# KiCad board power.kicad_pcb
title: Powertrain; date: 2024-09-21; rev: V0.1
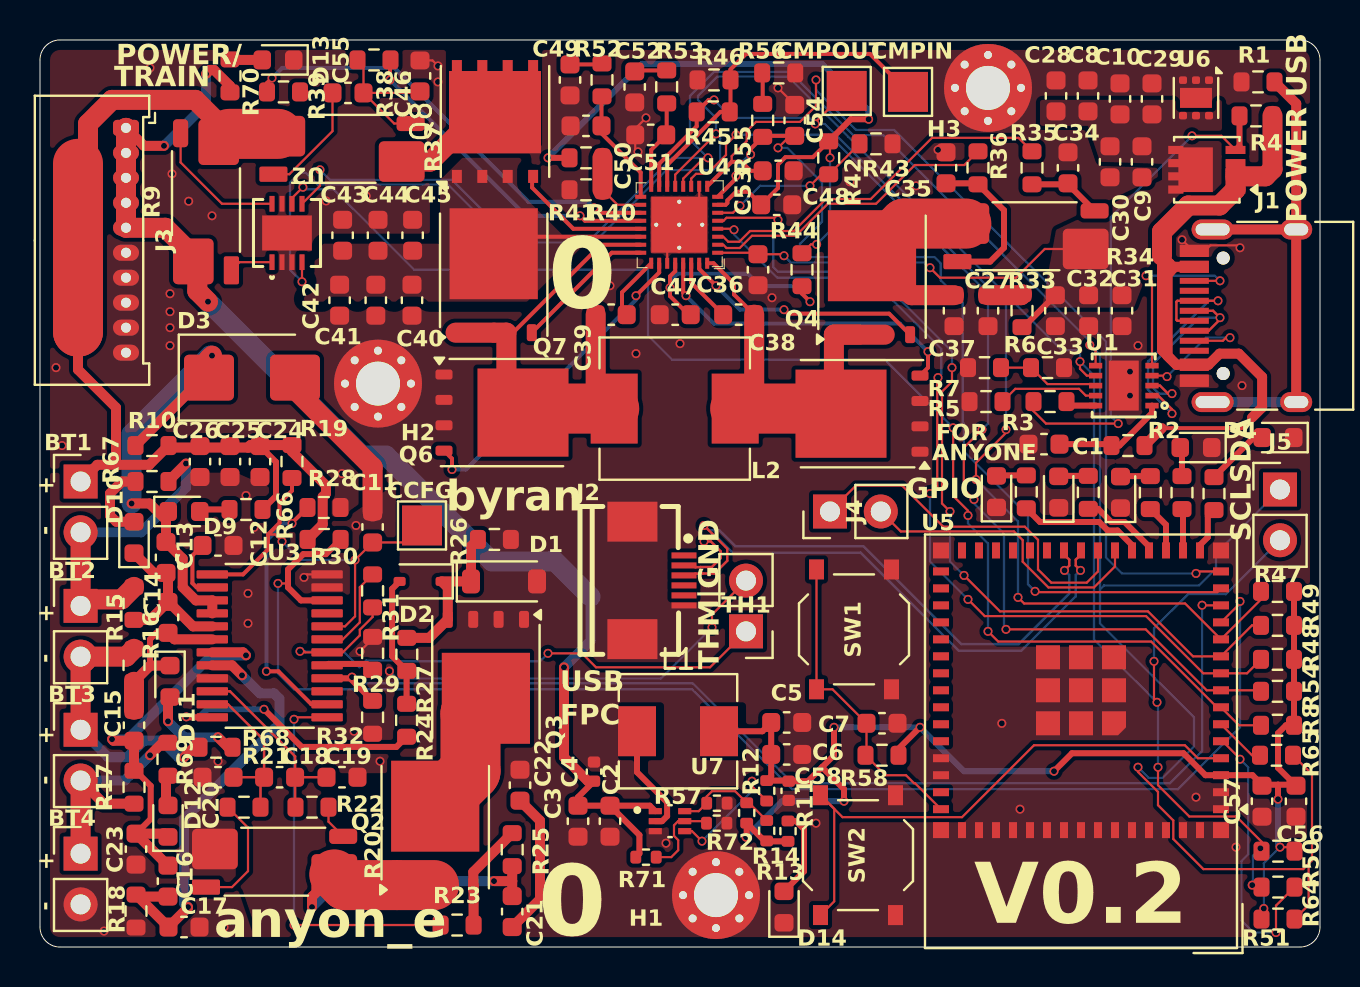
[diagram p0: board, top side]
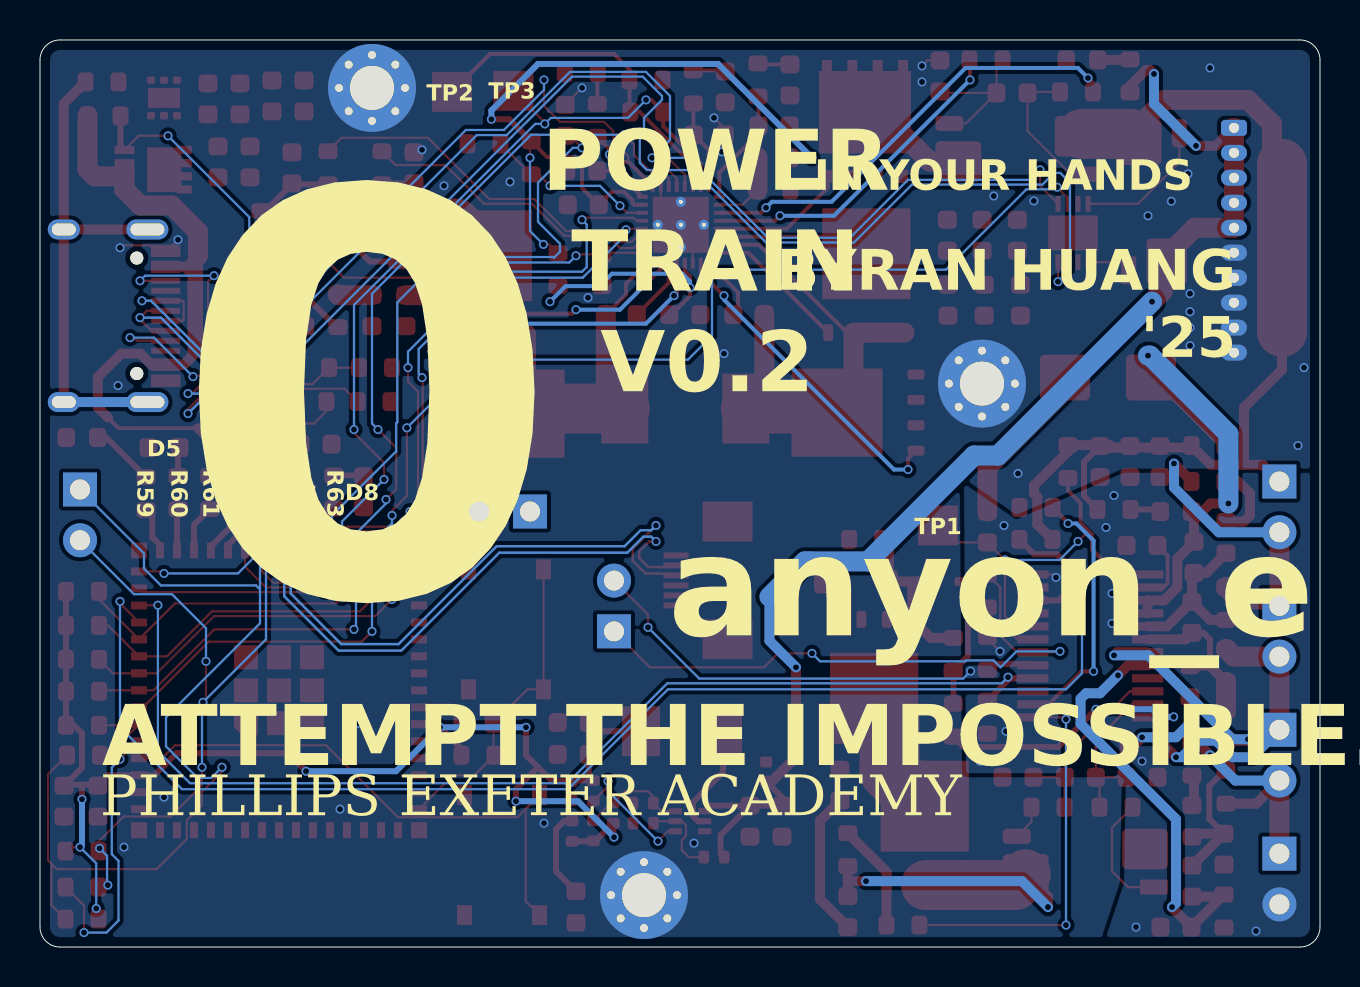
[diagram p1: board, bottom side, seen from below]

Outline 64 x 45.4 mm; copper layers: Top, In1.Cu, In2.Cu, Bottom. Coordinates in mm from the lower left corner of the outline.
Outline path: 0,44.4 arc(0.29,45.11) 1,45.4 63,45.4 arc(63.71,45.11) 64,44.4 64,1 arc(63.71,0.29) 63,0 1,0 arc(0.29,0.29) 0,1 0,44.4
Stack: Top 0.035mm / dielectric 0.1mm FR4 er 4.5 / In1.Cu 0.035mm / dielectric 1.24mm FR4 er 4.5 / In2.Cu 0.035mm / dielectric 0.1mm FR4 er 4.5 / Bottom 0.035mm

## Placement (name value [footprint] x y rotation side)
BT1  Cell 1  [PinHeader_1x02_P2.54mm_Vertical]  2.03 23.3 0 top
BT2  Cell 2  [PinHeader_1x02_P2.54mm_Vertical]  2.03 17.07 0 top
BT3  Cell 3  [PinHeader_1x02_P2.54mm_Vertical]  2.03 10.88 0 top
BT4  Cell 4  [PinHeader_1x02_P2.54mm_Vertical]  2.03 4.67 0 top
C1  1uF  [C_0603_1608Metric]  50.2 25.17 180 top
C2  10uF  [C_0603_1608Metric]  28.5 6.3 270 top
C3  10uF  [C_0603_1608Metric]  26.9 6.3 270 top
C4  100nF  [C_0402_1005Metric]  27.7 8.78 90 top
C5  22uF  [C_0603_1608Metric]  37.34 11.24 0 top
C6  22uF  [C_0603_1608Metric]  37.34 9.64 0 top
C7  1uF  [C_0603_1608Metric]  42.1 11.2 180 top
C8  10uF  [C_0603_1608Metric]  52.4 42.6 90 top
C9  10uF  [C_0603_1608Metric]  55.1 39.3 270 top
C10  100nF  [C_0603_1608Metric]  54 42.45 90 top
C11  1uF  [C_0603_1608Metric]  16.63 21.02 90 top
C12  1uF  [C_0603_1608Metric]  8.9 20.1 0 top
C13  1uF  [C_0603_1608Metric]  6.3 19.5 270 top
C14  1uF  [C_0603_1608Metric]  6.4 16.5 270 top
C15  1uF  [C_0603_1608Metric]  4.7 11.1 270 top
C16  1uF  [C_0603_1608Metric]  6.4 3.3 270 top
C17  1uF  [C_0603_1608Metric]  7.2 1 0 top
C18  0.1uF  [C_0603_1608Metric]  11.98 8.5 0 top
C19  0.1uF  [C_0603_1608Metric]  15.1 8.5 0 top
C20  0.1uF  [C_0603_1608Metric]  8.9 8.5 180 top
C21  0.1uF  [C_0603_1608Metric]  23.61 1.77 270 top
C22  0.1uF  [C_0603_1608Metric]  24 8.1 90 top
C23  1uF  [C_0603_1608Metric]  4.8 4.9 270 top
C24  10uF  [C_0603_1608Metric]  11 24.3 270 top
C25  10uF  [C_0603_1608Metric]  9.5 24.3 270 top
C26  100nF  [C_0603_1608Metric]  8 24.3 270 top
C27  1uF  [C_0603_1608Metric]  47.4 31.85 270 top
C28  10uF  [C_0603_1608Metric]  50.8 42.6 90 top
C29  10uF  [C_0603_1608Metric]  55.6 42.45 90 top
C30  10uF  [C_0603_1608Metric]  53.5 39.3 270 top
C31  10uF  [C_0603_1608Metric]  54.1 31.85 270 top
C32  10uF  [C_0603_1608Metric]  52.43 31.85 270 top
C33  10uF  [C_0603_1608Metric]  50.77 31.85 270 top
C34  33nF  [C_0603_1608Metric]  51.4 39 90 top
C35  33nF  [C_0603_1608Metric]  45.3 39 90 top
C36  470nF  [C_0603_1608Metric]  35.9 33.9 270 top
C37  10nF  [C_0603_1608Metric]  45.7 31.85 270 top
C38  47nF  [C_0603_1608Metric]  34.94 31.65 180 top
C39  47nF  [C_0603_1608Metric]  28.56 31.65 0 top
C40  10uF  [C_0603_1608Metric]  18.6 32.37 270 top
C41  10uF  [C_0603_1608Metric]  16.79 32.37 270 top
C42  10uF  [C_0603_1608Metric]  14.98 32.37 270 top
C43  10uF  [C_0603_1608Metric]  15.13 35.62 90 top
C44  10uF  [C_0603_1608Metric]  16.9 35.62 90 top
C45  10uF  [C_0603_1608Metric]  18.63 35.62 90 top
C46  1uF  [C_0603_1608Metric]  19 43.6 90 top
C47  2.2uF  [C_0603_1608Metric]  31.76 31.65 180 top
C48  1uF  [C_0603_1608Metric]  36.84 37.15 0 top
C49  680pF  [C_0603_1608Metric]  26.5 43.4 270 top
C50  15pF  [C_0603_1608Metric]  27.3 41.1 180 top
C51  33pF  [C_0603_1608Metric]  30.54 40.65 180 top
C52  1800pF  [C_0603_1608Metric]  29.74 43.05 270 top
C53  100pF  [C_0603_1608Metric]  36.91 38.85 180 top
C54  100pF  [C_0603_1608Metric]  37.74 41.37 270 top
C55  0.1uF  [C_0603_1608Metric]  15.4 42.75 180 top
C56  10uF  [C_0603_1608Metric]  62.8 7.3 90 top
C57  0.1uF  [C_0603_1608Metric]  61.1 7.3 90 top
C58  100nF  [C_0402_1005Metric]  37.44 7.82 270 top
D1  MMSZ5248B  [D_SOD-123]  23.2 18.3 0 top
D2  BAS316  [D_SOD-323]  19.03 18.3 180 top
D3  SMBJ26A-13-F  [D_SMB]  10.6 28.5 0 top
D4  LED1  [LED_0603_1608Metric]  61.9 25.5 180 top
D5  LED2  [LED_0603_1608Metric]  57.8 25 180 top
D6  LED3  [LED_0603_1608Metric]  54.03 22.76 90 top
D7  LED4  [LED_0603_1608Metric]  50.94 22.77 90 top
D8  LED5  [LED_0603_1608Metric]  47.83 22.79 90 top
D9  C4 LED  [LED_0603_1608Metric]  7.2 21.8 0 top
D10  C3 LED  [LED_0603_1608Metric]  4.7 20.5 90 top
D11  C2 LED  [LED_0603_1608Metric]  6.5 13.3 270 top
D12  C1 LED  [LED_0603_1608Metric]  6.4 6.3 90 top
D13  VDD LED  [LED_0603_1608Metric]  11.9 44.4 180 top
D14  +3.3V LED  [LED_0603_1608Metric]  37.2 2 90 top
H1  M2  [MountingHole_2.2mm_M2_Pad_Via]  33.8 2.6 0 top
H2  M2  [MountingHole_2.2mm_M2_Pad_Via]  16.9 28.2 0 top
H3  M2  [MountingHole_2.2mm_M2_Pad_Via]  47.4 43 0 top
J1  USB-C Power + USB2.0  [USB_C_Receptacle_HRO_TYPE-C-31-M-12]  61.76 31.59 90 top
J2  USB  [FPC-SMD_6P-P0.50_XUNPU_FPC-05F-6PH20]  30.91 18.35 270 top
J3  BATTERY OUT  [Molex_PicoBlade_53048-1010_1x10_P1.25mm_Horizontal]  4.3 41 270 top
J4  BACKUP  [PinHeader_1x02_P2.54mm_Vertical]  39.5 21.8 90 top
J5  I2C  [PinHeader_1x02_P2.54mm_Vertical]  62 22.9 0 top
L1  MWSA0503S-3R3MT  [L_Sunlord_MWSA0503S]  31.9 10.8 0 top
L2  MWSA0603S-2R2MT  [L_Sunlord_MWSA0603S]  31.74 26.95 180 top
Q1  SI7617DN-T1-GE3  [Vishay_PowerPAK_1212-8_Single]  58.34 38.9 180 top
Q2  CSD18534Q5A  [TDSON-8-1]  19.76 6 90 top
Q3  CSD18534Q5A  [TDSON-8-1]  22.3 13.5 270 top
Q4  CSD18534Q5A  [TDSON-8-1]  41.6 33.55 90 top
Q5  CSD18534Q5A  [TDSON-8-1]  41.1 26.69 180 top
Q6  CSD18534Q5A  [TDSON-8-1]  23.1 26.75 0 top
Q7  CSD18534Q5A  [TDSON-8-1]  22.69 33.65 90 top
Q8  AON6411  [AO_DFN-8-1EP_5.55x5.2mm_P1.27mm_EP4.12x4.6mm]  22.75 41.32 90 top
R1  1M  [R_0603_1608Metric]  60.9 43.3 180 top
R2  10R  [R_0603_1608Metric]  54.4 25.1 180 top
R3  5.1k  [R_0603_1608Metric]  50.5 27.3 180 top
R4  49.9k  [R_0603_1608Metric]  60.8 41.6 0 top
R5  DNP  [R_0603_1608Metric]  47.3 27.3 180 top  (not fitted)
R6  DNP  [R_0603_1608Metric]  50.38 29 0 top  (not fitted)
R7  0R  [R_0603_1608Metric]  47.23 29 180 top
R8  2.2k  [R_0603_1608Metric]  61.88 11.1 0 top
R9  10mΩ SHUNT FMF25FPJR010-LH  [R_Shunt_Vishay_WSK2512_6332Metric_T1.19mm]  8.3 37.3 90 top
R10  33R  [R_0603_1608Metric]  5.6 25.1 180 top
R11  47k  [R_0402_1005Metric]  37.4 5.8 270 top
R12  10k  [R_0402_1005Metric]  36.34 7.82 90 top
R13  49.9k  [R_0402_1005Metric]  36.34 5.82 270 top
R14  510k  [R_0402_1005Metric]  35.34 6.71 270 top
R15  33R  [R_0603_1608Metric]  4.7 17.2 270 top
R16  33R  [R_0603_1608Metric]  4.7 14.1 270 top
R17  33R  [R_0603_1608Metric]  4.7 8 90 top
R18  33R  [R_0603_1608Metric]  4.8 1.8 90 top
R19  1k  [R_0603_1608Metric]  12.6 24.3 270 top
R20  15mΩ SHUNT RLP25FEER015  [R_Shunt_Vishay_WSK2512_6332Metric_T1.19mm]  11.73 4.27 0 top
R21  100R  [R_0603_1608Metric]  10.2 7 0 top
R22  100R  [R_0603_1608Metric]  13.6 7 180 top
R23  5.1k  [R_0603_1608Metric]  20.86 1.1 0 top
R24  5.1k  [R_0603_1608Metric]  18.33 11.35 90 top
R25  10M  [R_0603_1608Metric]  23.61 4.88 90 top
R26  3M  [R_0603_1608Metric]  22.72 20.4 180 top
R27  1M  [R_0603_1608Metric]  18.34 14.65 90 top
R28  470k  [R_0603_1608Metric]  14.2 22 180 top
R29  100k  [R_0603_1608Metric]  16.63 14.7 90 top
R30  10k  [R_0603_1608Metric]  14.21 20.4 180 top
R31  10k  [R_0603_1608Metric]  16.63 17.82 270 top
R32  10k  [R_0603_1608Metric]  16.63 11.5 270 top
R33  2.2R  [R_0603_1608Metric]  49.1 31.85 270 top
R34  10mΩ SHUNT FMF25FPJR010-LH  [R_Shunt_Vishay_WSK2512_6332Metric_T1.19mm]  49.3 35.57 0 top
R35  5.1R  [R_0603_1608Metric]  49.6 39 270 top
R36  5.1R  [R_0603_1608Metric]  46.9 39 270 top
R37  10mΩ SHUNT FMF25FPJR010-LH  [R_Shunt_Vishay_WSK2512_6332Metric_T1.19mm]  15.1 39.95 0 top
R38  10R  [R_0603_1608Metric]  16.7 44.4 180 top
R39  10R  [R_0603_1608Metric]  12.18 42.8 0 top
R40  130k  [R_0603_1608Metric]  27.3 39.5 180 top
R41  470k  [R_0603_1608Metric]  27.3 37.9 0 top
R42  390k  [R_0603_1608Metric]  39.44 39.5 90 top
R43  220k  [R_0603_1608Metric]  41.8 40.2 180 top
R44  10R  [R_0603_1608Metric]  38.1 33.9 270 top
R45  2M  [R_0603_1608Metric]  33.66 41.8 180 top
R46  300k  [R_0603_1608Metric]  33.7 43.4 0 top
R47  10k  [R_0603_1608Metric]  61.88 17.8 0 top
R48  10k  [R_0603_1608Metric]  61.88 14.4 0 top
R49  10k  [R_0603_1608Metric]  61.88 16.1 0 top
R50  10k  [R_0603_1608Metric]  61.9 4.8 0 top
R51  10k  [R_0603_1608Metric]  61.9 1.4 180 top
R52  10k  [R_0603_1608Metric]  28.1 43.4 270 top
R53  40.2k  [R_0603_1608Metric]  31.34 43.05 270 top
R54  200R  [R_0603_1608Metric]  61.88 12.8 0 top
R55  110k  [R_0603_1608Metric]  36.14 41.37 270 top
R56  27k  [R_0603_1608Metric]  36.94 43.75 180 top
R57  10k  [R_0402_1005Metric]  33.84 7.2 180 top
R58  10k  [R_0603_1608Metric]  42.1 9.6 0 top
R59  10k  [R_0603_1608Metric]  58.7 22.69 90 top
R60  10k  [R_0603_1608Metric]  57.1 22.74 90 top
R61  10k  [R_0603_1608Metric]  55.52 22.74 90 top
R62  10k  [R_0603_1608Metric]  52.42 22.76 90 top
R63  10k  [R_0603_1608Metric]  49.31 22.78 90 top
R64  0R  [R_0603_1608Metric]  61.9 3 180 top
R65  0R  [R_0603_1608Metric]  61.83 9.6 0 top
R66  1k  [R_0603_1608Metric]  10.3 21.9 180 top
R67  1k  [R_0603_1608Metric]  5.6 23.3 180 top
R68  1k  [R_0603_1608Metric]  8.8 10 0 top
R69  1k  [R_0603_1608Metric]  6.4 9.4 270 top
R70  1k  [R_0603_1608Metric]  9.5 43.6 90 top
R71  47k  [R_0402_1005Metric]  30.3 4.5 180 top
R72  12k  [R_0402_1005Metric]  33.84 6.2 180 top
SW1  RST  [SW_Push_1P1T_XKB_TS-1187A]  40.7 15.9 90 top
SW2  BOOT  [SW_Push_1P1T_XKB_TS-1187A]  40.9 4.6 90 top
TH1  103AT 10k  [PinHeader_1x02_P2.54mm_Vertical]  35.3 15.8 180 top
TP1  CCFG  [TestPoint_Pad_2.0x2.0mm]  19.1 21.1 0 top
TP2  CMPIN  [TestPoint_Pad_2.0x2.0mm]  43.4 42.8 180 top
TP3  CMPOUT  [TestPoint_Pad_2.0x2.0mm]  40.34 42.85 180 top
U1  HUSB238  [DFN-10_L3.0-W3.0-P0.50-BL-EP2.5]  54.19 28.1 90 top
U2  LTC2943  [DFN-8_DD_LIT]  12.35 35.74 90 top
U3  BQ7791501PWR  [SOP65P640X120-24N]  11.49 15.07 0 top
U4  BQ25713RSNR  [RSN0032B]  31.96 36.15 180 top
U5  ESP32-S3-MINI-1  [ESP32-S2-MINI-1]  52.05 10.3 180 top
U6  TVS2200DRV  [WSON-6-1EP_2x2mm_P0.65mm_EP1x1.6mm]  57.8 42.5 270 top
U7  TPS564257DRLR  [SOT50P160X60-6N]  31.5 6.3 0 top

## Library data of the parts
BT1-BT4 = -: Description: Single-cell battery
C1 C7 C11-C17 C23 C27 C46 C48 = -: Description: Unpolarized capacitor, small symbol; LCSC: C15849; ki_fp_filters: C_*
C2 C3 C8 C9 C24 C25 C28-C33 C40-C45 C56 = -: Description: Unpolarized capacitor, small symbol; LCSC: C96446; ki_fp_filters: C_*
C4 C58 = -: Description: Unpolarized capacitor, small symbol; LCSC: C307331; ki_fp_filters: C_*
C5 C6 = -: Description: Unpolarized capacitor, small symbol; LCSC: C59461; ki_fp_filters: C_*
C10 C18-C22 C26 C55 C57 = -: Description: Unpolarized capacitor, small symbol; LCSC: C14663; ki_fp_filters: C_*
C34 C35 = -: Description: Unpolarized capacitor, small symbol; LCSC: C21117; ki_fp_filters: C_*
C36 = -: Description: Unpolarized capacitor, small symbol; LCSC: C1623; ki_fp_filters: C_*
C37 = -: Description: Unpolarized capacitor, small symbol; LCSC: C57112; ki_fp_filters: C_*
C38 C39 = -: Description: Unpolarized capacitor, small symbol; LCSC: C1622; ki_fp_filters: C_*
C47 = -: Description: Unpolarized capacitor, small symbol; LCSC: C23630; ki_fp_filters: C_*
C49 = -: Description: Unpolarized capacitor, small symbol; LCSC: C1630; ki_fp_filters: C_*
C50 = -: Description: Unpolarized capacitor, small symbol; LCSC: C1644; ki_fp_filters: C_*
C51 = -: Description: Unpolarized capacitor, small symbol; LCSC: C1663; ki_fp_filters: C_*
C52 = -: Description: Unpolarized capacitor, small symbol; LCSC: C1599; ki_fp_filters: C_*
C53 C54 = -: Description: Unpolarized capacitor, small symbol; LCSC: C14858; ki_fp_filters: C_*
D1 = -: Description: Zener diode, small symbol, filled shape; LCSC: C82088; ki_fp_filters: TO-???* *_Diode_* *SingleDiode* D_*
D2 = -: Datasheet: https://assets.nexperia.com/documents/data-sheet/BAS16_SER.pdf; Description: 100V, 0.25A, High-speed Switching Diode, SOD-323; Sim.Device: D; Sim.Pins: 1=K 2=A; LCSC: C109218; ki_fp_filters: D*SOD?323*
D3 = -: Datasheet: https://www.littelfuse.com/media?resourcetype=datasheets&itemid=75e32973-b177-4ee3-a0ff-cedaf1abdb93&filename=smaj-datasheet; Description: 400W unidirectional Transient Voltage Suppressor, 26.0Vr, SMA(DO-214AC); LCSC: C135062; ki_fp_filters: D*SMA*
D4-D8 = -: Description: Light emitting diode, small symbol; LCSC: C2290; ki_fp_filters: LED* LED_SMD:* LED_THT:*
D9-D12 = -: Description: Light emitting diode, small symbol; LCSC: C2286; ki_fp_filters: LED* LED_SMD:* LED_THT:*
D13 D14 = -: Description: Light emitting diode, small symbol; LCSC: C72038; ki_fp_filters: LED* LED_SMD:* LED_THT:*
H1-H3 = -: Description: Mounting Hole with connection; ki_fp_filters: MountingHole*Pad*
J1 = -: Datasheet: https://www.usb.org/sites/default/files/documents/usb_type-c.zip; Description: USB 2.0-only 16P Type-C Receptacle connector; LCSC: C165948; ki_fp_filters: USB*C*Receptacle*
J2 = -: Description: Generic connectable mounting pin connector, single row, 01x06, script generated (kicad-library-utils/schlib/autogen/connector/); LCSC: C2856796; ki_fp_filters: Connector*:*_1x??-1MP*
J3 = -: Description: Generic connectable mounting pin connector, single row, 01x10, script generated (kicad-library-utils/schlib/autogen/connector/); LCSC: C564032; ki_fp_filters: Connector*:*_1x??-1MP*
J4 J5 = -: Description: Generic connector, single row, 01x02, script generated (kicad-library-utils/schlib/autogen/connector/); ki_fp_filters: Connector*:*_1x??_*
L1 = -: Description: Inductor, small symbol; LCSC: C408409; ki_fp_filters: Choke_* *Coil* Inductor_* L_*
L2 = -: Description: Inductor, small symbol; LCSC: C408445; ki_fp_filters: Choke_* *Coil* Inductor_* L_*
Q1 = -: Datasheet: https://www.vishay.com/docs/65164/si7617dn.pdf; Description: -35A Id, -30V Vds, 0.0123 Ohm Ron, PowerPAK-8; LCSC: C727607; ki_fp_filters: Vishay*PowerPAK*1212*Single*
Q2-Q7 = -: Datasheet: http://www.ti.com/lit/gpn/csd18534q5a; Description: 50A Id, 60V Vds, NexFET N-Channel Power MOSFET, 9.8mOhm Ron, 17nC Qg(typ), SON8 5x6mm; LCSC: C115943; ki_fp_filters: TDSON*
Q8 = -: Datasheet: http://www.aosmd.com/res/data_sheets/AON6411.pdf; Description: -85A Id, -20V Vds, P-Channel MOSFET, DFN-8; ki_fp_filters: AO*DFN*8*1EP*5.55x5.2mm*P1.27mm*EP4.12x4.6mm*
R1 R27 = -: Description: Resistor, small symbol; LCSC: C22935; ki_fp_filters: R_*
R2 R38 R39 R44 = -: Description: Resistor, small symbol; LCSC: C22859; ki_fp_filters: R_*
R3 R23 R24 = -: Description: Resistor, small symbol; LCSC: C23186; ki_fp_filters: R_*
R4 = -: Description: Resistor, small symbol; LCSC: C23184; ki_fp_filters: R_*
R5 R6 = -: Description: Resistor, small symbol; ki_fp_filters: R_*
R7 R64 R65 = -: Description: Resistor, small symbol; LCSC: C21189; ki_fp_filters: R_*
R8 = -: Description: Resistor, small symbol; LCSC: C4190; ki_fp_filters: R_*
R9 R34 R37 = -: Description: Shunt resistor; LCSC: C105366; ki_fp_filters: R_*Shunt*
R10 R15-R18 = -: Description: Resistor, small symbol; LCSC: C23140; ki_fp_filters: R_*
R11 R71 = -: Description: Resistor, small symbol; LCSC: C25792; ki_fp_filters: R_*
R12 R57 = -: Description: Resistor, small symbol; LCSC: C25744; ki_fp_filters: R_*
R13 = -: Description: Resistor, small symbol; LCSC: C25897; ki_fp_filters: R_*
R14 = -: Description: Resistor, small symbol; LCSC: C11616; ki_fp_filters: R_*
R19 R66-R70 = -: Description: Resistor, small symbol; LCSC: C21190; ki_fp_filters: R_*
R20 = -: Description: Shunt resistor; LCSC: C393085; ki_fp_filters: R_*Shunt*
R21 R22 = -: Description: Resistor, small symbol; LCSC: C22775; ki_fp_filters: R_*
R25 = -: Description: Resistor, small symbol; LCSC: C7250; ki_fp_filters: R_*
R26 = -: Description: Resistor, small symbol; LCSC: C23156; ki_fp_filters: R_*
R28 R41 = -: Description: Resistor, small symbol; LCSC: C23178; ki_fp_filters: R_*
R29 = -: Description: Resistor, small symbol; LCSC: C25803; ki_fp_filters: R_*
R30-R32 R47-R52 R58-R63 = -: Description: Resistor, small symbol; LCSC: C25804; ki_fp_filters: R_*
R33 = -: Description: Resistor, small symbol; LCSC: C22939; ki_fp_filters: R_*
R35 R36 = -: Description: Resistor, small symbol; LCSC: C25197; ki_fp_filters: R_*
R40 = -: Description: Resistor, small symbol; LCSC: C22795; ki_fp_filters: R_*
R42 = -: Description: Resistor, small symbol; LCSC: C23150; ki_fp_filters: R_*
R43 = -: Description: Resistor, small symbol; LCSC: C22961; ki_fp_filters: R_*
R45 = -: Description: Resistor, small symbol; LCSC: C22976; ki_fp_filters: R_*
R46 = -: Description: Resistor, small symbol; LCSC: C23024; ki_fp_filters: R_*
R53 = -: Description: Resistor, small symbol; LCSC: C12447; ki_fp_filters: R_*
R54 = -: Description: Resistor, small symbol; LCSC: C8218; ki_fp_filters: R_*
R55 = -: Description: Resistor, small symbol; LCSC: C25805; ki_fp_filters: R_*
R56 = -: Description: Resistor, small symbol; LCSC: C22967; ki_fp_filters: R_*
R72 = -: Description: Resistor, small symbol; LCSC: C25752; ki_fp_filters: R_*
SW1 SW2 = -: Description: Single Pole Single Throw (SPST) switch; LCSC: C318884
TH1 = -: Description: Temperature dependent resistor, negative temperature coefficient; ki_fp_filters: *NTC* *Thermistor* PIN?ARRAY* bornier* *Terminal?Block* R_*
TP1-TP3 = -: Description: test point; ki_fp_filters: Pin* Test*
U1 = -: LCSC Part: C7471904; LCSC: C7471904
U2 = -: LCSC: C107797; ki_fp_filters: DFN-8_DD_LIT DFN-8_DD_LIT-M DFN-8_DD_LIT-L
U3 = -: MF: Texas Instruments; MAXIMUM_PACKAGE_HEIGHT: 1.2 mm; Package: TSSOP-24 Texas Instruments; Price: None; Check_prices: https://www.snapeda.com/parts/BQ7791501PWR/Texas+Instruments/view-part/?ref=eda; STANDARD: IPC 7351B; PARTREV: H; SnapEDA_Link: https://www.snapeda.com/parts/BQ7791501PWR/Texas+Instruments/view-part/?ref=snap; Description_1: 3-series to 5-series stackable ultra-low-power primary protector with autonomous cell balancing; Availability: In Stock; MANUFACTURER: Texas Instruments; LCSC: C2876946
U4 = -: LCSC: C2878935; ki_fp_filters: RSN0032B
U5 = -: Datasheet: https://www.espressif.com/sites/default/files/documentation/esp32-s3-mini-1_mini-1u_datasheet_en.pdf; Description: RF Module, ESP32-S3 SoC, Wi-Fi 802.11b/g/n, Bluetooth, BLE, 32-bit, 3.3V, SMD, onboard antenna; LCSC: C2980299; ki_fp_filters: ESP32?S*MINI?1
U6 = -: Datasheet: http://www.ti.com/lit/ds/symlink/tvs2200.pdf; Description: Flat-Clamp Surge Protection Device. 22Vrwm, WSON-6; LCSC: C523793; ki_fp_filters: WSON*1EP*2x2mm*P0.65mm*EP1x1.6mm*
U7 = -: MF: Texas Instruments; MAXIMUM_PACKAGE_HEIGHT: 0.60mm; Package: SOT-5X3-6 Texas Instruments; Price: None; Check_prices: https://www.snapeda.com/parts/TPS564257DRLR/Texas+Instruments/view-part/?ref=eda; STANDARD: IPC-7351B; PARTREV: A; SnapEDA_Link: https://www.snapeda.com/parts/TPS564257DRLR/Texas+Instruments/view-part/?ref=snap; Purchase-URL: https://www.snapeda.com/api/url_track_click_mouser/?unipart_id=13767088&manufacturer=Texas Instruments&part_name=TPS564257DRLR&search_term=tps564257; Description_1: 3-V to 17-V input voltage, 4-A FCCM mode, synchronous buck converter; Availability: In Stock; MANUFACTURER: Texas Instruments; LCSC: C19272233

## Footprints (pads in the part's own frame, mm; a bottom-side part is the same pattern mirrored in y, then rotated)
AO_DFN-8-1EP_5.55x5.2mm_P1.27mm_EP4.12x4.6mm
  rect 0.78x0.9 smd: (-1,1.65) (-1,0.55) (-1,-0.55) (-1,-1.65) (-0.02,1.65) (-0.02,0.55) (-0.02,-0.55) (-0.02,-1.65) (0.96,1.65) (0.96,0.55) (0.96,-0.55) (0.96,-1.65) (1.94,1.65) (1.94,0.55) (1.94,-0.55) (1.94,-1.65)
  rect 0.65x0.5 smd: 1(-2.75,1.905) 2(-2.75,0.635) 3(-2.75,-0.635) 4(-2.75,-1.905)
  rect 4.12x4.6 smd: 5(0.465,0)
  rect 0.55x0.5 smd: 5(2.8,1.905) 5(2.8,0.635) 5(2.8,-0.635) 5(2.8,-1.905)
C_0402_1005Metric
  rrect 0.56x0.62 smd: 1(-0.48,0) 2(0.48,0)
C_0603_1608Metric
  rrect 0.9x0.95 smd: 1(-0.775,0) 2(0.775,0)
D_SMB
  rrect 2.5x2.3 smd: 1(-2.15,0) 2(2.15,0)
D_SOD-123
  rrect 0.9x1.2 smd: 1(-1.65,0) 2(1.65,0)
D_SOD-323
  rrect 0.6x0.45 smd: 1(-1.05,0) 2(1.05,0)
DFN-8_DD_LIT
  rect 0.787x0.254 smd: 1(-1.46,0.75) 2(-1.46,0.25) 3(-1.46,-0.25) 4(-1.46,-0.75) 5(1.46,-0.75) 6(1.46,-0.25) 7(1.46,0.25) 8(1.46,0.75)
  rect 1.753x2.489 smd: 9(0,0)
DFN-10_L3.0-W3.0-P0.50-BL-EP2.5
  rect 0.28x0.66 smd: 1(-1,-1.41) 2(-0.5,-1.41) 3(0,-1.41) 4(0.5,-1.41) 5(1,-1.41) 6(1,1.41) 7(0.5,1.41) 8(0,1.41) 9(-0.5,1.41) 10(-1,1.41)
  rect 2.5x1.5 smd: 11(0,0)
ESP32-S2-MINI-1
  rect 0.8x0.4 smd: 1(-7,3.4) 2(-7,2.55) 3(-7,1.7) 4(-7,0.85) 5(-7,0) 6(-7,-0.85) 7(-7,-1.7) 8(-7,-2.55) 9(-7,-3.4) 10(-7,-4.25) 11(-7,-5.1) 12(-7,-5.95) 13(-7,-6.8) 14(-7,-7.65) 15(-7,-8.5) 31(7,-8.5) 32(7,-7.65) 33(7,-6.8) 34(7,-5.95) 35(7,-5.1) 36(7,-4.25) 37(7,-3.4) 38(7,-2.55) 39(7,-1.7) 40(7,-0.85) 41(7,0) 42(7,0.85) 43(7,1.7) 44(7,2.55) 45(7,3.4)
  rect 0.4x0.8 smd: 16(-5.95,-9.55) 17(-5.1,-9.55) 18(-4.25,-9.55) 19(-3.4,-9.55) 20(-2.55,-9.55) 21(-1.7,-9.55) 22(-0.85,-9.55) 23(0,-9.55) 24(0.85,-9.55) 25(1.7,-9.55) 26(2.55,-9.55) 27(3.4,-9.55) 28(4.25,-9.55) 29(5.1,-9.55) 30(5.95,-9.55) 46(5.95,4.45) 47(5.1,4.45) 48(4.25,4.45) 49(3.4,4.45) 50(2.55,4.45) 51(1.7,4.45) 52(0.85,4.45) 53(0,4.45) 54(-0.85,4.45) 55(-1.7,4.45) 56(-2.55,4.45) 57(-3.4,4.45) 58(-4.25,4.45) 59(-5.1,4.45) 60(-5.95,4.45)
  rrect 1.2x1.2 smd: 61(-1.65,-0.9)
  rect 1.2x1.2 smd: 61(-1.65,-2.55) 61(-1.65,-4.2) 61(0,-0.9) 61(0,-2.55) 61(0,-4.2) 61(1.65,-0.9) 61(1.65,-2.55) 61(1.65,-4.2)
  rect 0.8x0.8 smd: 62(-7,4.45) 63(-7,-9.55) 64(7,-9.55) 65(7,4.45)
FPC-SMD_6P-P0.50_XUNPU_FPC-05F-6PH20
  rect 0.3x1.25 smd: 1(-1.25,1.29) 2(-0.75,1.29) 3(-0.25,1.29) 4(0.25,1.29) 5(0.75,1.29) 6(1.25,1.29)
  rect 2x2.5 smd: MP(-2.94,-1.29) MP(2.94,-1.29)
L_Sunlord_MWSA0503S
  rect 1.9x2.5 smd: 1(-2.05,0) 2(2.05,0)
L_Sunlord_MWSA0603S
  rect 2.35x3.5 smd: 1(-3.025,0) 2(3.025,0)
LED_0603_1608Metric
  rrect 0.875x0.95 smd: 1(-0.787,0) 2(0.787,0)
Molex_PicoBlade_53048-1010_1x10_P1.25mm_Horizontal
  rrect 0.8x1.3 hole 0.5: 1(0,0)
  oval 0.8x1.3 hole 0.5: 2(1.25,0) 3(2.5,0) 4(3.75,0) 5(5,0) 6(6.25,0) 7(7.5,0) 8(8.75,0) 9(10,0) 10(11.25,0)
MountingHole_2.2mm_M2_Pad_Via
  round 0.7 hole 0.4: 1(-1.65,0) 1(-1.167,1.167) 1(-1.167,-1.167) 1(0,1.65) 1(0,-1.65) 1(1.167,1.167) 1(1.167,-1.167) 1(1.65,0)
  round 4.4 hole 2.2: 1(0,0)
PinHeader_1x02_P2.54mm_Vertical
  rect 1.7x1.7 hole 1: 1(0,0)
  oval 1.7x1.7 hole 1: 2(0,-2.54)
R_0402_1005Metric
  rrect 0.54x0.64 smd: 1(-0.51,0) 2(0.51,0)
R_0603_1608Metric
  rrect 0.8x0.95 smd: 1(-0.825,0) 2(0.825,0)
R_Shunt_Vishay_WSK2512_6332Metric_T1.19mm
  rrect 2.29x2.03 smd: 1(-2.985,0.635) 4(2.985,-0.635)
  rrect 1.4x0.76 smd: 2(-3.43,-1.27) 3(3.43,1.27)
RSN0032B
  rect 0.55x0.2 smd: 1(-1.925,1.4) 2(-1.925,1) 3(-1.925,0.6) 4(-1.925,0.2) 5(-1.925,-0.2) 6(-1.925,-0.6) 7(-1.925,-1) 8(-1.925,-1.4) 17(1.925,-1.4) 18(1.925,-1) 19(1.925,-0.6) 20(1.925,-0.2) 21(1.925,0.2) 22(1.925,0.6) 23(1.925,1) 24(1.925,1.4)